# KiCad board PCB0160.kicad_pcb (continued)
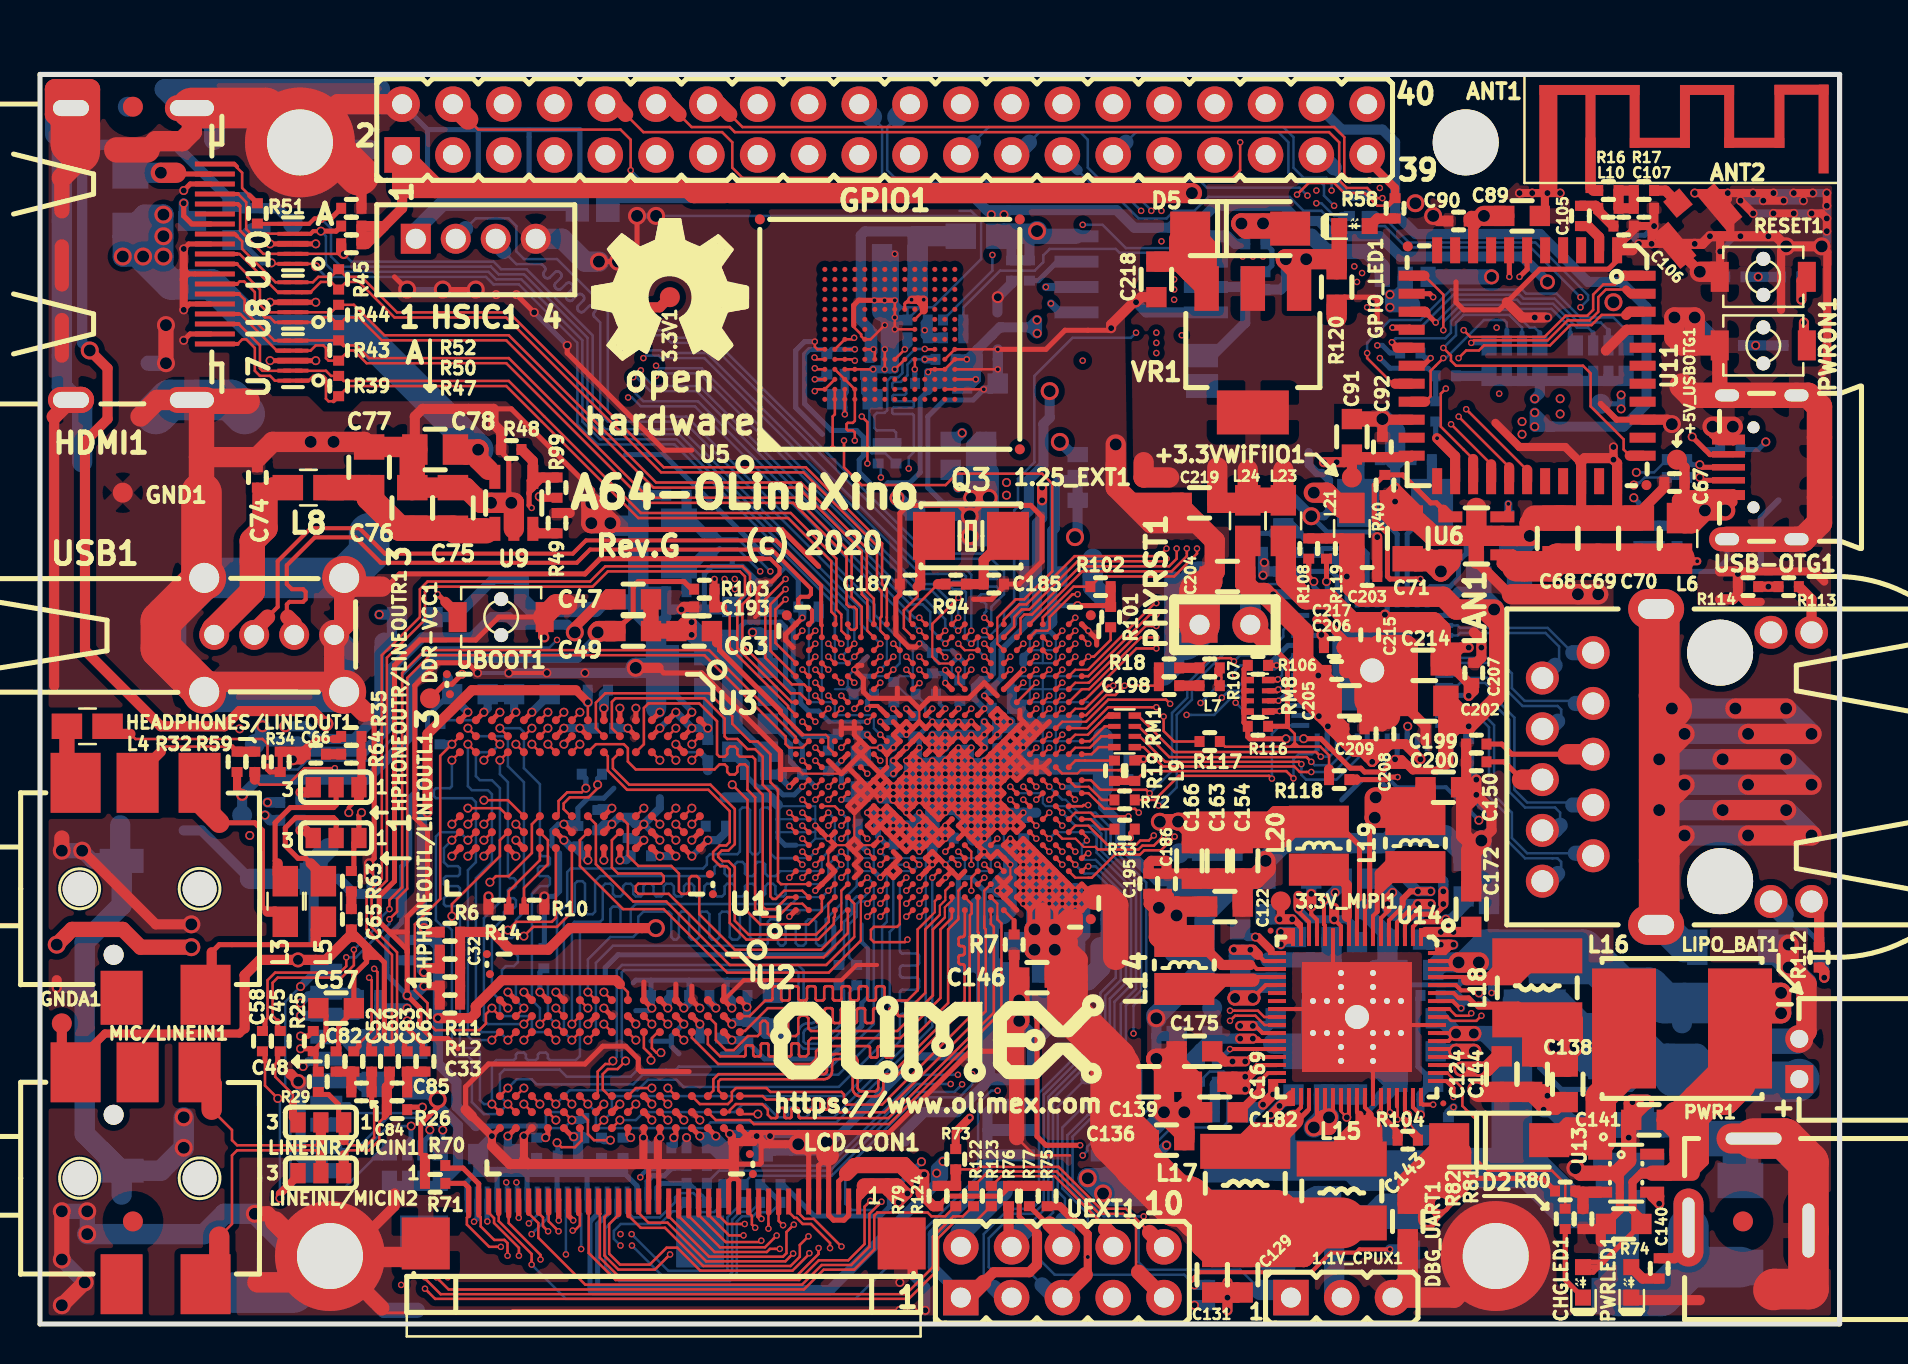
[diagram p0: board, top side]
## Footprints (pads in the part's own frame, mm; a bottom-side part is the same pattern mirrored in y, then rotated) (continued)
R_0402_5MIL_0R(Board_Mounted)
  rect 0.5x0.55 smd: 1(-0.508,0) 2(0.508,0)
R_0402_5MIL_DWS
  rect 0.5x0.55 smd: 1(-0.508,0) 2(0.508,0)
R_0603_5MIL_0R(Board_Mounted)
  rect 1.016x1.016 smd: 1(-0.889,0) 2(0.889,0)
R_0603_5MIL_DWS
  rect 1.016x1.016 smd: 1(-0.889,0) 2(0.889,0)
R_1206_5MIL_DWS
  rect 1.524x1.778 smd: 1(-1.397,0) 2(1.397,0)
RA0805_(4X0402)_xx_BIGGEROUTPADS
  rect 0.325x0.625 smd: 1.1(-0.79,-0.512) 1.2(-0.79,0.512) 4.1(0.79,-0.512) 4.2(0.79,0.512)
  rect 0.25x0.625 smd: 2.1(-0.25,-0.512) 2.2(-0.25,0.512) 3.1(0.25,-0.512) 3.2(0.25,0.512)
RA1206_(4X0603)_4B8_xx
  rect 0.762x1.016 smd: 1.1(-1.27,-0.762) 1.2(-1.27,0.762) 4.1(1.27,-0.762) 4.2(1.27,0.762)
  rect 0.508x1.016 smd: 2.1(-0.381,-0.762) 2.2(-0.381,0.762) 3.1(0.381,-0.762) 3.2(0.381,0.762)
RL-SM02BD(RTL8723BS)
  rect 1.3x0.5 smd: 1(-5.775,4.5) 2(-5.775,3.6) 3(-5.775,2.7) 4(-5.775,1.8) 5(-5.775,0.9) 6(-5.775,0) 7(-5.775,-0.9) 8(-5.775,-1.8) 9(-5.775,-2.7) 10(-5.775,-3.6) 11(-5.775,-4.5) 23(5.775,-4.5) 24(5.775,-3.6) 25(5.775,-2.7) 26(5.775,-1.8) 27(5.775,-0.9) 28(5.775,0) 29(5.775,0.9) 30(5.775,1.8) 31(5.775,2.7) 32(5.775,3.6) 33(5.775,4.5)
  rect 0.5x1.3 smd: 12(-4.5,-5.775) 13(-3.6,-5.775) 14(-2.7,-5.775) 15(-1.8,-5.775) 16(-0.9,-5.775) 17(0,-5.775) 18(0.9,-5.775) 19(1.8,-5.775) 20(2.7,-5.775) 21(3.6,-5.775) 22(4.5,-5.775) 34(4.5,5.775) 35(3.6,5.775) 36(2.7,5.775) 37(1.8,5.775) 38(0.9,5.775) 39(0,5.775) 40(-0.9,5.775) 41(-1.8,5.775) 42(-2.7,5.775) 43(-3.6,5.775) 44(-4.5,5.775)
  round 0.5 smd: FID1(-5.969,-5.969) FID2(5.969,5.969)
SCJ325P00XG0B02G
  round 1.7 hole 1.7 unplated: (0,0) (6,0)
  rect 2.5x3 smd: 1(6.3,-5.3) 2(-0.2,5.3)
  rect 2.1x3 smd: 3(6,5.3) 4(2.9,5.3)
  rect 2.1x2.7 smd: 5(2.1,-5.45)
SCJ325P00XG0B02G#2
  round 1.7 hole 1.7 unplated: (0,0) (6,0)
  rect 2.5x3 smd: 1(6.3,-5.3) 2(-0.2,5.3)
  rect 2.1x3 smd: 3(6,5.3) 4(2.9,5.3) 5(2.1,-5.3)
SJ
  rect 1.168x1.6 smd: 1(-0.762,0) 1(-0.762,0) 2(0.762,0)
SJ_2_SMALL
  rect 0.762x1.016 smd: 1(-1.143,0) 2(0,0) 3(1.143,0)
SJ_2_SMALL_12_TIED
  rect 0.762x1.016 smd: 1(-1.143,0) 2(0,0) 3(1.143,0)
SLP2510P8_TEST
  rect 0.2x0.675 smd: 1(-1,-0.438) 2(-0.5,-0.438) 4(0.5,-0.438) 5(1,-0.438) 6(1,0.438) 7(0.5,0.438) 9(-0.5,0.438) 10(-1,0.438)
  rect 0.3x0.775 smd: 3(0,-0.388) 8(0,0.388)
SMA-KA
  rect 2x1.7 smd: 1(-2.5,0) 2(2.5,0)
SO-8_208mil
  rect 0.6x2.2 smd: 1(-1.905,-3.235) 2(-0.635,-3.235) 3(0.635,-3.235) 4(1.905,-3.235) 5(1.905,3.235) 6(0.635,3.235) 7(-0.635,3.235) 8(-1.905,3.235)
SOD-123_1C-2A_KA
  rect 1x1.4 smd: 1(-1.9,0) 2(1.9,0)
SOIC-8_150mil
  rect 0.6x2.2 smd: 1(-1.905,-2.5) 2(-0.635,-2.5) 3(0.635,-2.5) 4(1.905,-2.5) 5(1.905,2.5) 6(0.635,2.5) 7(-0.635,2.5) 8(-1.905,2.5)
SOT23
  rect 1.4x1 smd: 1(1.107,-0.95) 2(1.107,0.953) 3(-1.102,-0.003)
SOT23-6
  rect 1.2x0.55 smd: 1(1.3,-0.95) 2(1.3,0) 3(1.3,0.95) 4(-1.3,0.95) 5(-1.3,0) 6(-1.3,-0.95)
SOT223
  rect 2.235x1.219 smd: 1(3.099,-2.311) 2(3.099,0) 3(3.099,2.311)
  rect 2.2x3.6 smd: 2(-3.099,0)
SOT-23-5
  rect 1.2x0.55 smd: 1(1.3,-0.95) 2(1.3,0) 3(1.3,0.95) 4(-1.3,0.95) 5(-1.3,-0.95)
TESTPAD_40-ROUND
  round 1 smd: 1(0,0)
TFC-WPAPR-08
  rect 1.1x0.7 smd: (-7.25,-6.55) (-7.25,-5.45) (-7.25,-4.35) (-7.25,-3.25) (-7.25,-2.15) (-7.25,-1.05) (-7.25,0.05) (-7.25,1.15) (-7.25,2.25)
  rect 1.8x1.4 smd: (-6.37,-7.85)
  rect 1.8x1.8 smd: (-6.37,6.95)
  rect 2.6x1.4 smd: (3.23,-7.85) (3.23,7.85)
  round 1 hole 1 unplated: (3.632,-4.953) (3.632,3.048)
  rect 1.6x0.7 smd: 1(-7,2.25) 2(-7,1.15) 3(-7,0.05) 4(-7,-1.05) 5(-7,-2.15) 6(-7,-3.25) 7(-7,-4.35) 8(-7,-5.45) 9(-7,-6.55)
  rect 1.4x1.2 smd: 10(-6.37,-7.75)
  rect 1.4x1.6 smd: 11(-6.37,6.85)
  rect 2.2x1.2 smd: 12(3.23,-7.75) 13(3.23,7.75)
TM211Q01FM22
  round 3.3 hole 3.3 unplated: (-5.715,0) (5.715,0)
  round 1.65 hole 1.1: 1(-5.715,-6.35) 2(-4.445,-8.89) 3(-3.175,-6.35) 4(-1.905,-8.89) 5(-0.635,-6.35) 6(0.635,-8.89) 7(1.905,-6.35) 8(3.175,-8.89) 9(4.445,-6.35) 10(5.715,-8.89) 11(-6.731,2.54) 12(-6.731,4.572) 13(6.731,2.54) 14(6.731,4.572)
  oval 2x2.8 hole 1x1.8: SH1(-7.9,-3.2) SH2(7.9,-3.2)
TP_SMD
  round 1 smd: 1(0,0)
U.FL-R-SMT-1
  rect 1.05x1.05 smd: 1(0,-1.5)
  rect 1.05x2.2 smd: 2(-1.5,0) 2(1.5,0)
USB-MICRO_MISB-SWMM-5B_LF
  round 0.6 hole 0.6 unplated: (-1.9,2) (-1.9,-2)
  oval 1.8x1.2 hole 1.2x0.6: 0(-3.22,3.6) 0(-3.22,-3.6) 0(0.25,3.6) 0(0.25,-3.6)
  rect 1x1.1 smd: 0(1.4,1.5) 0(1.4,-1.5)
  rect 1.65x0.5 smd: 1(-3.15,-1.387) 5(-3.15,1.387)
  rect 1.65x0.325 smd: 2(-3.15,-0.65) 3(-3.15,0) 4(-3.15,0.65)
USB_A_VERTICAL_PTH
  round 2.2 hole 1.5: 0(-2.85,6.5) 0(-2.85,-0.5) 0(2.85,6.5) 0(2.85,-0.5)
  round 1.5 hole 1: 1(0,0) 2(0,2) 3(0,4) 4(0,6)
YS75_7X8MM
  rect 3.2x6 smd: 1(-2.9,0) 2(2.9,0)

## Nets
1.1V_CPUS: 1.1V_CPUS1.1 C117.2 C120.2 C179.2 U1.H15 U14.5
1.1V_CPUX: 1.1V_CPUX1.1 C123.2 C127.2 C129.2 C130.2 C131.2 C132.2 C134.2 C136.2 C137.2 C139.2 C142.2 C146.2 C148.2 L15.2 L17.2 U1.AA1 U1.AA3 U1.AB2 U1.AC1 U1.AC2 U1.U6 U1.V2 U1.V3 U1.V4 U1.V5 U1.V6 U1.W1 U1.W3 U1.W4 U1.W5 U1.Y2 U1.Y3 U1.Y4
1.1V_SYS: 1.1V_SYS1.1 C154.2 C155.2 C158.2 C160.2 C163.2 C166.2 C168.2 L20.2 U1.J12 U1.J13 U1.K14 U1.L13 U1.L14 U1.M13 U1.M14 U1.N14 U1.P14 U1.R13 U1.R14 U1.T15 U14.9
1.2V_HSIC: C178.2 C197.1 HSIC_E1.1 U1.K16 U14.3
3.0V_RTC: 3.0V_RTC1.1 C152.1 C189.2 C190.2 R85.2 R104.1 U1.H16 U14.49
+1.5V: C1.1 C2.1 C3.1 C4.1 C5.1 C6.1 C7.1 C8.1 C9.1 C10.1 C11.1 C12.1 C13.1 C14.1 C15.1 C16.1 C17.1 C18.1 C19.1 C20.1 C21.1 C26.1 C27.1 C28.1 C29.1 C30.1 C31.1 C32.2 C150.2 DDR-VCC1.1 L19.2 R1.2 R5.2 R11.2 U1.G7 U1.G8 U1.G9 U1.J8 U1.K6 U1.K7 U1.L6 U1.L7 U1.L8 U1.N7 U1.N8 U2.A1 U2.A8 U2.B2 U2.C1 U2.C9 U2.D2 U2.D9 U2.E9 U2.F1 U2.G7 U2.H2 U2.H9 U2.K2 U2.K8 U2.N1 U2.N9 U2.R1 U2.R9 U3.A1 U3.A8 U3.B2 U3.C1 U3.C9 U3.D2 U3.D9 U3.E9 U3.F1 U3.G7 U3.H2 U3.H9 U3.K2 U3.K8 U3.N1 U3.N9 U3.R1 U3.R9 U14.8
+1V8: +1.8V1.1 C47.2 C50.2 C170.2 PWR_PC1.3 U1.E13 U14.68
+3.0VA: +3.0VA1.1 C46.1 C49.1 C175.1 C191.2 R32.2 R103.1 U1.G14 U1.N16 U14.31
+3.3VD: +3.3VD1.1 C79.2 C161.2 FET1.1 R46.1 U1.M16 U14.17
+3.3VWiFiIO: +3.3VWiFiIO1.1 C91.2 C92.2 C110.2 C165.2 R61.2 RM9.1.1 RM9.2.1 RM9.3.1 RM9.4.1 RM12.1.1 RM12.2.1 RM12.3.1 RM12.4.1 U1.T17 U11.22 U14.13
+3V3: 3.3V1.1 3.3V/VCC-PE:2.8V1.3 C39.1 C73.2 C80.1 C81.2 C89.2 C90.2 C115.2 C116.2 C122.2 C186.2 C195.2 D5.2 GPIO1.3 L1.1 L2.1 L14.2 L21.2 LCD_CON1.3 PWR_PC1.1 R30.2 R31.2 R37.2 R53.2 R56.2 R57.2 R70.2 R71.2 R75.1 R76.1 R77.1 R79.1 R95.2 R99.1 RM7.1.1 RM7.2.1 RM7.3.1 RM7.4.1 U1.L16 U1.N18 U1.N19 U1.T14 U1.U15 U1.U16 U4.1 U4.2 U4.3 U4.8 U11.9 U12.8 U13.4 U14.20 UEXT1.1
+5V: 5V_E1.2 C71.1 C78.1 D3.1 FET2.3 FUSE1.1 GPIO1.1 LCD_CON1.1 R47.1 R50.1 U6.5 U9.5
+5V_EXT: 5V_E1.1 C118.2 C119.2 C121.1 D1.1 D3.2 FET2.1 FUSE2.1 FUSE2.2 PWR1.+ R74.1 U14.57 U14.58
+5V_USBOTG: +5V_USBOTG1.1 C67.1 C124.1 L6.2 U14.54 USB-OTG1.1
/Power Supply, Extensions and MiPi-DSI/1.8V_DVDD-CSI: C172.2 GPIO1.36 U14.1
/Power Supply, Extensions and MiPi-DSI/2.8V_AVDD-CSI: C164.2 GPIO1.38 U14.14
/Power Supply, Extensions and MiPi-DSI/3.3V_MIPI: 3.3V_MIPI1.1 C162.2 MIPI-DSI1.14 MIPI-DSI1.15 U14.16
/USB&HDMI,WiFi&BT,Ethernet,LCD/VDD33: C201.1 C202.1 C203.2 C216.2 C217.2 L21.1 LAN1.11 LAN1.13 R106.1 R108.2 R110.1 R111.1 R116.2 R119.2 RM8.1.1 RM8.2.1 RM8.3.1 RM8.4.1 U15.1 U15.12 U15.16 U15.34 U15.40
GND: ANT1.2 ANT2.2 C1.2 C2.2 C3.2 C4.2 C5.2 C6.2 C7.2 C8.2 C9.2 C10.2 C12.2 C13.2 C14.2 C15.2 C16.2 C17.2 C18.2 C19.2 C20.2 C21.2 C22.1 C23.2 C24.2 C25.2 C26.2 C27.2 C28.2 C29.2 C30.2 C31.2 C33.1 C34.1 C35.1 C36.1 C37.1 C38.1 C39.2 C42.2 C43.2 C44.2 C64.2 C67.2 C68.1 C69.1 C70.1 C71.2 C72.1 C73.1 C74.2 C75.1 C76.1 C77.1 C78.2 C79.1 C80.2 C81.1 C88.1 C89.1 C90.1 C91.1 C92.1 C93.1 C94.2 C106.1 C107.1 C109.2 C110.1 C115.1 C116.1 C117.1 C118.1 C119.1 C120.1 C121.2 C122.1 C123.1 C124.2 C125.1 C126.1 C127.1 C128.2 C129.1 C130.1 C131.1 C132.1 C133.1 C134.1 C136.1 C137.1 C138.2 C139.1 C140.1 C141.1 C142.1 C143.1 C144.2 C145.1 C146.1 C147.2 C148.1 C149.2 C150.1 C151.2 C152.2 C153.1 C154.1 C155.1 C156.1 C157.1 C158.1 C159.1 C160.1 C161.1 C162.1 C163.1 C164.1 C165.1 C166.1 C167.1 C168.1 C169.2 C170.1 C171.2 C172.1 C173.2 C174.1 C175.2 C176.1 C177.1 C178.1 C179.1 C180.1 C181.1 C182.1 C183.2 C184.2 C185.2 C186.1 C187.2 C188.1 C189.1 C190.1 C191.1 C192.1 C193.1 C194.1 C195.1 C196.1 C197.2 C199.1 C200.1 C201.2 C202.2 C203.1 C204.1 C205.1 C206.1 C207.1 C208.1 C209.1 C210.1 C211.1 C212.1 C213.1 C214.1 C215.1 C216.1 C217.1 C218.2 C219.2 D1.2 DBG_UART1.3 GND1.1 GPIO1.2 GPIO_LED1.1 HDMI1.0 HDMI1.2 HDMI1.5 HDMI1.8 HDMI1.11 HDMI1.17 HSIC1.4 L7.2 LCD_CON1.0 LCD_CON1.2 LCD_CON1.4 LCD_CON1.5 LCD_CON1.6 LCD_CON1.13 LCD_CON1.14 LCD_CON1.21 LCD_CON1.22 LIPO_BAT1.2 MICRO_SD1.6 MICRO_SD1.10 MICRO_SD1.11 MICRO_SD1.12 MICRO_SD1.13 MIPI-DSI1.1 MIPI-DSI1.4 MIPI-DSI1.7 MIPI-DSI1.10 MIPI-DSI1.13 MIPI-DSI1.18 Mounting_hole1.0 Mounting_hole2.0 Mounting_hole3.0 PHYRST1.1 PWR1.- PWRLED1.1 PWRON1.2 R7.1 R8.1 R9.2 R10.2 R12.1 R13.2 R14.2 R36.1 R40.1 R41.1 R42.1 R48.1 R49.1 R52.2 R55.2 R62.2 R81.2 R83.2 R84.1 R96.2 R97.2 R98.2 R107.2 R114.1 R115.2 R120.2 RESET1.2 U1.A1 U1.A23 U1.AC23 U1.C3 U1.C7 U1.D7 U1.G6 U1.G11 U1.H4 U1.H13 U1.J9 U1.J10 U1.J11 U1.J14 U1.J15 U1.K8 U1.K9 U1.K10 U1.K11 U1.K12 U1.K13 U1.L4 U1.L5 U1.L9 U1.L10 U1.L11 U1.L12 U1.L15 U1.M3 U1.M8 U1.M9 U1.M10 U1.M11 U1.M12 U1.M15 U1.N4 U1.N9 U1.N10 U1.N11 U1.N12 U1.N13 U1.N15 U1.P7 U1.P8 U1.P9 U1.P10 U1.P11 U1.P12 U1.P13 U1.R5 U1.R6 U1.R7 U1.R8 U1.R9 U1.R10 U1.R11 U1.R12 U1.R15 U1.T8 U1.T9 U1.T10 U1.T11 U1.T12 U1.T13 U1.U2 U1.U5 U1.U7 U1.U8 U1.U9 U1.U11 U1.U12 U1.V8 U1.V14 U2.A9 U2.B1 U2.B3 U2.B9 U2.D1 U2.D8 U2.E1 U2.E2 U2.E8 U2.F9 U2.G1 U2.G8 U2.G9 U2.J2 U2.J8 U2.M1 U2.M9 U2.P1 U2.P9 U2.T1 U2.T9 U3.A9 U3.B1 U3.B3 U3.B9 U3.D1 U3.D8 U3.E1 U3.E2 U3.E8 U3.F9 U3.G1 U3.G8 U3.G9 U3.J2 U3.J8 U3.M1 U3.M9 U3.P1 U3.P9 U3.T1 U3.T9 U4.4 U4.7 U5.A6 U5.C4 U5.E7 U5.G5 U5.H10 U5.J5 U5.K8 U5.N2 U5.N5 U5.P4 U5.P6 U6.2 U7.3 U7.8 U8.3 U8.8 U9.2 U10.3 U10.8 U11.1 U11.20 U11.31 U11.33 U11.36 U11.41 U12.4 U13.2 U14.12 U14.25 U14.45 U14.59 U14.69 U15.29 U15.49 UBOOT1.2 UEXT1.2 USB1.0 USB1.4 USB-OTG1.0 USB-OTG1.5 VR1.1 WP_Enable1.1
GNDA: C46.2 C47.1 C48.1 C49.2 C50.1 C51.2 C53.2 C54.1 C55.2 C56.1 C57.1 C59.2 C62.2 C63.2 C65.1 C66.1 GNDA1.1 MIC/LINEIN1.2 R27.2 R34.1 R35.1 R36.2 U1.A11
VBAT: C135.2 C180.2 LIPO_BAT1.1 R78.2 U14.64
VCC-PC: C34.2 C35.2 C36.2 PWR_PC1.2 R21.2 R23.2 R67.2 U1.R16 U5.C6 U5.M4 U5.N4 U5.P3 U5.P5 VCC-PC1.1
VCC-PE: 3.3V/VCC-PE:2.8V1.1 C171.1 GPIO1.40 U14.28
VCC-PL: C109.1 C173.1 R88.2 R90.2 U1.J16 U14.29 VCC-PL1.1
VDDFB-CPUX: U1.T6 U14.41 U14.42
/NAND Flash , eMMC, T-Card and Audio/eMMC_CLK: C94.1 R68.1 U5.M6
/NAND Flash , eMMC, T-Card and Audio/HP-DET: R59.2 U1.D11
/NAND Flash , eMMC, T-Card and Audio/HPOUTFB: L4.1 R34.2 U1.C10
/NAND Flash , eMMC, T-Card and Audio/HPOUTL: HPHONEOUTL/LINEOUTL1.1 R63.2 U1.C13
/NAND Flash , eMMC, T-Card and Audio/HPOUTR: HPHONEOUTR/LINEOUTR1.1 R35.2 R64.2 U1.C12
/NAND Flash , eMMC, T-Card and Audio/LINEINL: C58.2 U1.B14
/NAND Flash , eMMC, T-Card and Audio/LINEINR: C45.2 U1.A14
/NAND Flash , eMMC, T-Card and Audio/LINEOUTL: C87.1 U1.D16
/NAND Flash , eMMC, T-Card and Audio/LINEOUTR: C86.1 U1.C16
/NAND Flash , eMMC, T-Card and Audio/MBIAS: R25.2 U1.E14
/NAND Flash , eMMC, T-Card and Audio/MICIN1N: C82.2 U1.B16
/NAND Flash , eMMC, T-Card and Audio/MICIN1P: C52.2 U1.B15
/NAND Flash , eMMC, T-Card and Audio/MICIN2N: C83.2 U1.A17
/NAND Flash , eMMC, T-Card and Audio/MICIN2P: C60.2 U1.B17
/NAND Flash , eMMC, T-Card and Audio/NAND0-ALE\SDC2-DS: R15.2 R62.1 R66.2 U1.K18
/NAND Flash , eMMC, T-Card and Audio/NAND0-DQ0\SDC2-D0: R67.1 U1.M21 U5.A3
/NAND Flash , eMMC, T-Card and Audio/NAND0-DQ1\SDC2-D1: U1.L19 U5.A4
/NAND Flash , eMMC, T-Card and Audio/NAND0-DQ2\SDC2-D2: U1.K20 U5.A5
/NAND Flash , eMMC, T-Card and Audio/NAND0-DQ3\SDC2-D3: U1.H20 U5.B2
/NAND Flash , eMMC, T-Card and Audio/NAND0-DQ4\SDC2-D4: U1.P18 U5.B3
/NAND Flash , eMMC, T-Card and Audio/NAND0-DQ5\SDC2-D5: U1.L20 U5.B4
/NAND Flash , eMMC, T-Card and Audio/NAND0-DQ6\SDC2-D6: U1.J21 U5.B5
/NAND Flash , eMMC, T-Card and Audio/NAND0-DQ7\SDC2-D7: U1.R21 U5.B6
/NAND Flash , eMMC, T-Card and Audio/NAND0-DQS\SDC2-RST: R23.1 U1.N20 U5.K5
/NAND Flash , eMMC, T-Card and Audio/NAND0-RB0\SDC2-CMD: R21.1 U1.K19 U5.M5
/NAND Flash , eMMC, T-Card and Audio/NAND0-RE\SDC2-CLK: R68.2 U1.G20
/NAND Flash , eMMC, T-Card and Audio/SDC0-CLK: R33.2 U1.AC8
/NAND Flash , eMMC, T-Card and Audio/SDC0-CMD: MICRO_SD1.3 R31.1 U1.W9
/NAND Flash , eMMC, T-Card and Audio/SDC0-D0: MICRO_SD1.7 RM7.1.2 U1.W13
/NAND Flash , eMMC, T-Card and Audio/SDC0-D1: MICRO_SD1.8 RM7.2.2 U1.AB10
/NAND Flash , eMMC, T-Card and Audio/SDC0-D2: MICRO_SD1.1 RM7.4.2 U1.AB9
/NAND Flash , eMMC, T-Card and Audio/SDC0-D3: MICRO_SD1.2 R30.1 U1.AB6
/NAND Flash , eMMC, T-Card and Audio/SDC0-DET#: MICRO_SD1.9 RM7.3.2 U1.AB8
/Power Supply, Extensions and MiPi-DSI/DC5SET: R84.2 R92.1 U14.62
/Power Supply, Extensions and MiPi-DSI/DSI-CKN: MIPI-DSI1.5 U1.P23
/Power Supply, Extensions and MiPi-DSI/DSI-CKP: MIPI-DSI1.6 U1.N23
/Power Supply, Extensions and MiPi-DSI/DSI-D0N: MIPI-DSI1.8 U1.T23
/Power Supply, Extensions and MiPi-DSI/DSI-D0P: MIPI-DSI1.9 U1.T22
/Power Supply, Extensions and MiPi-DSI/DSI-D1N: MIPI-DSI1.2 U1.R22
/Power Supply, Extensions and MiPi-DSI/DSI-D1P: MIPI-DSI1.3 U1.P22
/Power Supply, Extensions and MiPi-DSI/DSI-D2N: R126.2 U1.N22
/Power Supply, Extensions and MiPi-DSI/DSI-D2P: R130.1 U1.M22
/Power Supply, Extensions and MiPi-DSI/DSI-D3N: R129.1 U1.L22
/Power Supply, Extensions and MiPi-DSI/DSI-D3P: R125.2 U1.L23
/Power Supply, Extensions and MiPi-DSI/MIPI-DSI-BKL: R132.1 U1.W8
/Power Supply, Extensions and MiPi-DSI/MIPI-DSI-EN: R128.2 U1.Y6
/Power Supply, Extensions and MiPi-DSI/MIPI-DSI-RST: R127.2 U1.AA6
/Power Supply, Extensions and MiPi-DSI/PB0: GPIO1.10 U1.V9
/Power Supply, Extensions and MiPi-DSI/PB1: GPIO1.12 U1.AB7
/Power Supply, Extensions and MiPi-DSI/PB2: GPIO1.14 U1.W10
/Power Supply, Extensions and MiPi-DSI/PB3: GPIO1.16 U1.AA7
/Power Supply, Extensions and MiPi-DSI/PB4: GPIO1.18 U1.W7
/Power Supply, Extensions and MiPi-DSI/PE0: GPIO1.5 U1.AA18
/Power Supply, Extensions and MiPi-DSI/PE1: GPIO1.7 U1.AB23
/Power Supply, Extensions and MiPi-DSI/PE2: GPIO1.9 U1.AA22
/Power Supply, Extensions and MiPi-DSI/PE3: GPIO1.11 U1.AA21
/Power Supply, Extensions and MiPi-DSI/PE4: GPIO1.13 U1.AA19
/Power Supply, Extensions and MiPi-DSI/PE5: GPIO1.15 U1.W17
/Power Supply, Extensions and MiPi-DSI/PE6: GPIO1.17 U1.W20
/Power Supply, Extensions and MiPi-DSI/PE7: GPIO1.19 U1.Y19
/Power Supply, Extensions and MiPi-DSI/PE8: GPIO1.21 U1.AC22
/Power Supply, Extensions and MiPi-DSI/PE9: GPIO1.23 U1.Y17
/Power Supply, Extensions and MiPi-DSI/PE10: GPIO1.25 U1.AB22
/Power Supply, Extensions and MiPi-DSI/PE11: GPIO1.27 U1.W21
/Power Supply, Extensions and MiPi-DSI/PE12: GPIO1.29 U1.AB20
/Power Supply, Extensions and MiPi-DSI/PE13: GPIO1.31 U1.Y22
/Power Supply, Extensions and MiPi-DSI/PE14: GPIO1.33 R101.1 U1.AC20
/Power Supply, Extensions and MiPi-DSI/PE15: GPIO1.35 R102.1 U1.Y23
/Power Supply, Extensions and MiPi-DSI/PE16: R65.2 U1.AB21
/Power Supply, Extensions and MiPi-DSI/PE16\POWERON: GPIO1.37 R28.1 R65.1
/Power Supply, Extensions and MiPi-DSI/PE17\GPIO_LED: GPIO1.39 R58.1 U1.W22
/Power Supply, Extensions and MiPi-DSI/UEXT-CLK: R122.1 UEXT1.9
/Power Supply, Extensions and MiPi-DSI/UEXT-CS: R73.2 R79.2 R124.2 UEXT1.10
/Power Supply, Extensions and MiPi-DSI/UEXT-MISO: R121.1 UEXT1.7
/Power Supply, Extensions and MiPi-DSI/UEXT-MOSI: R123.2 UEXT1.8
/S0SA0: U1.P5 U2.N3 U3.N3
/S0SA1: U1.R4 U2.P7 U3.P7
/S0SA2: U1.N5 U2.P3 U3.P3
/S0SA3: U1.N6 U2.N2 U3.N2
/S0SA4: U1.P6 U2.P8 U3.P8
/S0SA5: U1.G4 U2.P2 U3.P2
/S0SA6: U1.F3 U2.R8 U3.R8
/S0SA7: U1.E4 U2.R2 U3.R2
/S0SA8: U1.D3 U2.T8 U3.T8
/S0SA9: U1.C4 U2.R3 U3.R3
/S0SA10: U1.M4 U2.L7 U3.L7
/S0SA11: U1.U4 U2.R7 U3.R7
/S0SA12: U1.K5 U2.N7 U3.N7
/S0SA13: U1.E8 U2.T3 U3.T3
/S0SA14: U1.K4 U2.T7 U3.T7
/S0SA15: U1.T4 U2.M7 U3.M7
/S0SBA0: U1.D8 U2.M2 U3.M2
/S0SBA1: U1.R3 U2.N8 U3.N8
/S0SBA2: U1.C6 U2.M3 U3.M3
/S0SCAS: U1.C9 U2.K3 U3.K3
/S0SCK_N: R2.1 R4.1 U2.K7 U3.K7
/S0SCK_P: R2.2 R3.1 U2.J7 U3.J7
/S0SCKE0: U1.J3 U2.K9 U3.K9
/S0SCKE1: U1.H6 U2.J9 U3.J9
/S0SCS0: U1.E5 U2.L2 U3.L2
/S0SCS1: U1.H5 U2.L1 U3.L1
/S0SDQ0: U1.L3 U2.F7
/S0SDQ1: U1.G1 U2.G2
/S0SDQ2: U1.H3 U2.F2
/S0SDQ3: U1.K1 U2.H7
/S0SDQ4: U1.H2 U2.E3
/S0SDQ5: U1.H1 U2.H3
/S0SDQ6: U1.L1 U2.H8
/S0SDQ7: U1.L2 U2.F8
/S0SDQ8: U1.T3 U2.A7
/S0SDQ9: U1.T2 U2.C8
/S0SDQ10: U1.T1 U2.B8
/S0SDQ11: U1.R2 U2.D7
/S0SDQ12: U1.N3 U2.A3
/S0SDQ13: U1.N2 U2.C2
/S0SDQ14: U1.N1 U2.C3
/S0SDQ15: U1.M2 U2.A2
/S0SDQ16: U1.E3 U3.F7
/S0SDQ17: U1.F2 U3.H8
/S0SDQ18: U1.E2 U3.H7
/S0SDQ19: U1.E1 U3.F8
/S0SDQ20: U1.B1 U3.H3
/S0SDQ21: U1.B2 U3.F2
/S0SDQ22: U1.A2 U3.E3
/S0SDQ23: U1.B3 U3.G2
/S0SDQ24: U1.C5 U3.A7
/S0SDQ25: U1.B4 U3.C8
/S0SDQ26: U1.A4 U3.D7
/S0SDQ27: U1.A5 U3.B8
/S0SDQ28: U1.A7 U3.A3
/S0SDQ29: U1.A8 U3.C3
/S0SDQ30: U1.B8 U3.A2
/S0SDQ31: U1.B9 U3.C2
/S0SDQM0: U1.J2 U2.E7
/S0SDQM1: U1.P3 U2.D3
/S0SDQM2: U1.C2 U3.E7
/S0SDQM3: U1.B7 U3.D3
/S0SDQS0_N: U1.K2 U2.G3
/S0SDQS0_P: U1.K3 U2.F3
/S0SDQS1_N: U1.P2 U2.B7
/S0SDQS1_P: U1.P1 U2.C7
/S0SDQS2_N: U1.D1 U3.G3
/S0SDQS2_P: U1.D2 U3.F3
/S0SDQS3_N: U1.B5 U3.B7
/S0SDQS3_P: U1.B6 U3.C7
/S0SODT0: U1.D5 U2.K1 U3.K1
/S0SODT1: U1.E7 U2.J1 U3.J1
/S0SRAS: U1.F7 U2.J3 U3.J3
/S0SRST: R1.1 U1.D10 U2.T2 U3.T2
/S0SVREF: C22.2 C32.1 C33.2 R6.2 R11.1 R12.2 U1.G5
/S0SWE: U1.C8 U2.L3 U3.L3
/USB&HDMI,WiFi&BT,Ethernet,LCD/1.25_EXT: 1.25_EXT1.1 C219.1 L23.2 L24.2 R120.1 VR1.2
/USB&HDMI,WiFi&BT,Ethernet,LCD/AP-WAKE-BT: U1.B20 U11.6
/USB&HDMI,WiFi&BT,Ethernet,LCD/BT-PCM-CLK: U1.AB18 U11.26
/USB&HDMI,WiFi&BT,Ethernet,LCD/BT-PCM-DIN: U1.AC19 U11.27
/USB&HDMI,WiFi&BT,Ethernet,LCD/BT-PCM-DOUT: U1.U22 U11.25
/USB&HDMI,WiFi&BT,Ethernet,LCD/BT-PCM-SYNC: U1.AB19 U11.28
/USB&HDMI,WiFi&BT,Ethernet,LCD/BT-RST-N: RM12.2.2 U1.A20 U11.34
/USB&HDMI,WiFi&BT,Ethernet,LCD/BT-UART-CTS: U1.AC17 U11.44
/USB&HDMI,WiFi&BT,Ethernet,LCD/BT-UART-RX: RM12.4.2 U1.AB17 U11.43
/USB&HDMI,WiFi&BT,Ethernet,LCD/BT-UART-TX: U1.U23 U11.42
/USB&HDMI,WiFi&BT,Ethernet,LCD/BT-WAKE-AP: U1.D19 U11.7
/USB&HDMI,WiFi&BT,Ethernet,LCD/EPHY-RST#: R117.2 U1.Y14
/USB&HDMI,WiFi&BT,Ethernet,LCD/GCLKIN\LCD_VSYNC: C93.2 LCD_CON1.30 R109.1 U1.AC11
/USB&HDMI,WiFi&BT,Ethernet,LCD/GMDC\LCD-PWM: LCD_CON1.36 U1.Y13 U15.36
/USB&HDMI,WiFi&BT,Ethernet,LCD/GMDIO\LCD_PWR: LCD_CON1.35 R108.1 U1.AC10 U15.37
/USB&HDMI,WiFi&BT,Ethernet,LCD/GRXCK\LCD_D18: C198.1 LCD_CON1.7 R18.1 U1.AC16
/USB&HDMI,WiFi&BT,Ethernet,LCD/GRXCTL\LCD_D19: LCD_CON1.8 R105.1 U1.AB16
/USB&HDMI,WiFi&BT,Ethernet,LCD/GRXD0\LCD_D15: LCD_CON1.20 RM15.1.2 U1.Y16
/USB&HDMI,WiFi&BT,Ethernet,LCD/GRXD1\LCD_D14: LCD_CON1.19 RM15.2.2 U1.W16
/USB&HDMI,WiFi&BT,Ethernet,LCD/GRXD2\LCD_D13: LCD_CON1.18 RM15.3.2 U1.AA13
/USB&HDMI,WiFi&BT,Ethernet,LCD/GRXD3\LCD_D12: LCD_CON1.17 RM15.4.2 U1.V17
/USB&HDMI,WiFi&BT,Ethernet,LCD/GTXCK\LCD_DE: L9.2 LCD_CON1.32 R19.2 U15.24
/USB&HDMI,WiFi&BT,Ethernet,LCD/GTXCTL\LCD_HSYNC: LCD_CON1.29 R72.2 U15.25
/USB&HDMI,WiFi&BT,Ethernet,LCD/GTXD0\LCD_CLK: LCD_CON1.31 RM1.2.1 U15.19
/USB&HDMI,WiFi&BT,Ethernet,LCD/GTXD1\LCD_D23: LCD_CON1.12 RM1.1.1 U15.20
/USB&HDMI,WiFi&BT,Ethernet,LCD/GTXD2\LCD_D22: LCD_CON1.11 RM1.3.1 U15.21
/USB&HDMI,WiFi&BT,Ethernet,LCD/GTXD3\LCD_D21: LCD_CON1.10 RM1.4.1 U15.22
/USB&HDMI,WiFi&BT,Ethernet,LCD/HCEC: FET1.2 R46.2 U1.F21 U10.1 U10.10
/USB&HDMI,WiFi&BT,Ethernet,LCD/HHPD: R51.1 R52.1 U1.E21 U10.5 U10.6
/USB&HDMI,WiFi&BT,Ethernet,LCD/HSCL: HDMI1.15 R47.2 U1.G21 U10.2 U10.9
/USB&HDMI,WiFi&BT,Ethernet,LCD/HSDA: HDMI1.16 R50.2 U1.E20 U10.4 U10.7
/USB&HDMI,WiFi&BT,Ethernet,LCD/HTX0N: HDMI1.9 R44.1 U1.G23 U8.2 U8.9
/USB&HDMI,WiFi&BT,Ethernet,LCD/HTX0P: HDMI1.7 R44.2 U1.G22 U8.1 U8.10
/USB&HDMI,WiFi&BT,Ethernet,LCD/HTX1N: HDMI1.6 R43.2 U1.F22 U7.5 U7.6
/USB&HDMI,WiFi&BT,Ethernet,LCD/HTX1P: HDMI1.4 R43.1 U1.E23 U7.4 U7.7
/USB&HDMI,WiFi&BT,Ethernet,LCD/HTX2N: HDMI1.3 R39.1 U1.E22 U7.2 U7.9
/USB&HDMI,WiFi&BT,Ethernet,LCD/HTX2P: HDMI1.1 R39.2 U1.D23 U7.1 U7.10
/USB&HDMI,WiFi&BT,Ethernet,LCD/HTXCN: HDMI1.12 R45.2 U1.H23 U8.5 U8.6
/USB&HDMI,WiFi&BT,Ethernet,LCD/HTXCP: HDMI1.10 R45.1 U1.H22 U8.4 U8.7
/USB&HDMI,WiFi&BT,Ethernet,LCD/LCD_D2: LCD_CON1.23 U1.AA20
/USB&HDMI,WiFi&BT,Ethernet,LCD/LCD_D3: LCD_CON1.24 U1.AA17
/USB&HDMI,WiFi&BT,Ethernet,LCD/LCD_D4: LCD_CON1.25 U1.W19
/USB&HDMI,WiFi&BT,Ethernet,LCD/LCD_D5: LCD_CON1.26 U1.AA14
/USB&HDMI,WiFi&BT,Ethernet,LCD/LCD_D6: LCD_CON1.27 U1.V18
/USB&HDMI,WiFi&BT,Ethernet,LCD/LCD_D7: LCD_CON1.28 U1.AA15
/USB&HDMI,WiFi&BT,Ethernet,LCD/LCD_D10: LCD_CON1.15 U1.Y11
/USB&HDMI,WiFi&BT,Ethernet,LCD/LCD_D11: LCD_CON1.16 U1.AA16
/USB&HDMI,WiFi&BT,Ethernet,LCD/LCD_D20: LCD_CON1.9 U1.AB15
/USB&HDMI,WiFi&BT,Ethernet,LCD/MDI[0]+: LAN1.1 U15.2
/USB&HDMI,WiFi&BT,Ethernet,LCD/MDI[0]-: LAN1.2 U15.3
/USB&HDMI,WiFi&BT,Ethernet,LCD/MDI[1]+: LAN1.3 U15.5
/USB&HDMI,WiFi&BT,Ethernet,LCD/MDI[1]-: LAN1.4 U15.6
/USB&HDMI,WiFi&BT,Ethernet,LCD/MDI[2]+: LAN1.7 U15.7
/USB&HDMI,WiFi&BT,Ethernet,LCD/MDI[2]-: LAN1.8 U15.8
/USB&HDMI,WiFi&BT,Ethernet,LCD/MDI[3]+: LAN1.9 U15.10
/USB&HDMI,WiFi&BT,Ethernet,LCD/MDI[3]-: LAN1.10 U15.11
/USB&HDMI,WiFi&BT,Ethernet,LCD/PH7\CTP-INT: LCD_CON1.37 U1.AC5
/USB&HDMI,WiFi&BT,Ethernet,LCD/PH8\CTP-RST: LCD_CON1.38 U1.Y10
/USB&HDMI,WiFi&BT,Ethernet,LCD/PHYAD0: LAN1.14 R112.1
/USB&HDMI,WiFi&BT,Ethernet,LCD/PHYAD1: LAN1.12 R113.1
/USB&HDMI,WiFi&BT,Ethernet,LCD/USB0-ID: R37.1 U1.AA8 USB-OTG1.4
/USB&HDMI,WiFi&BT,Ethernet,LCD/USB0-VBUSDET: C72.2 R38.1 R42.2 U1.AB4
/USB&HDMI,WiFi&BT,Ethernet,LCD/USB1-DM: U1.C22 USB1.2
/USB&HDMI,WiFi&BT,Ethernet,LCD/USB1-DP: U1.B23 USB1.3
/USB&HDMI,WiFi&BT,Ethernet,LCD/WL-PMU-EN: RM9.4.2 U1.A19 U11.12
/USB&HDMI,WiFi&BT,Ethernet,LCD/WL-SDIO-CLK: R54.2 U1.V21
/USB&HDMI,WiFi&BT,Ethernet,LCD/WL-SDIO-CMD: RM12.1.2 U1.U20 U11.16
/USB&HDMI,WiFi&BT,Ethernet,LCD/WL-SDIO-D0: RM9.1.2 U1.U19 U11.18
/USB&HDMI,WiFi&BT,Ethernet,LCD/WL-SDIO-D1: RM12.3.2 U1.V22 U11.19
/USB&HDMI,WiFi&BT,Ethernet,LCD/WL-SDIO-D2: RM9.3.2 U1.Y21 U11.14
/USB&HDMI,WiFi&BT,Ethernet,LCD/WL-SDIO-D3: RM9.2.2 U1.W23 U11.15
/USB&HDMI,WiFi&BT,Ethernet,LCD/WL-WAKE-AP: U1.E19 U11.13
/VREF0_DDR3: C11.2 C23.1 C24.1 C25.1 R5.1 R6.1 R8.2 U2.H1 U2.M8 U3.H1 U3.M8
AP-CK32KO: R60.2 R61.1 U1.B18
AP-NMI#: R85.1 U1.G18 U14.61
AP-RESET#: C156.2 GPIO1.4 R89.2 R104.2 R118.2 U1.E17 U14.46
IPS: C126.2 C128.1 C133.2 C140.2 C141.2 C145.2 C147.1 C153.2 C157.2 C159.2 C167.2 C169.1 C176.2 CHGLED1.2 IPS1.1 L16.1 R131.1 T1.4 T1.8 U13.5 U14.4 U14.6 U14.11 U14.15 U14.19 U14.22 U14.32 U14.38 U14.39 U14.40 U14.55 U14.56 U14.66 U14.67
KEYADC: C193.2 GPIO1.8 R103.2 U1.A16
PC4: GPIO1.20 U1.T20
PC7: GPIO1.22 U1.T19
PH10: LCD_CON1.33 R73.1 U1.Y8
PH11: LCD_CON1.34 U1.AA5
PL7: GPIO1.24 U1.C19
PL8: GPIO1.26 U1.B21
PL9: GPIO1.28 U1.D20
PL10: GPIO1.30 U1.D21
PL11: GPIO1.32 U1.C20
PL12: GPIO1.34 U1.D22
PMU-SCK: R88.1 U1.D17 U14.47
PMU-SDA: R90.1 U1.C17 U14.48
SPI0_CLK: R122.2 U1.P20 U12.6
SPI0_CS: R53.1 R124.1 U1.P19 U12.1
SPI0_MISO: R66.1 R121.2 U12.2
SPI0_MOSI: R123.1 U1.T21 U12.5
TWI0-SCK: LCD_CON1.39 MIPI-DSI1.11 R70.1 U1.W11
TWI0-SDA: LCD_CON1.40 MIPI-DSI1.12 R71.1 U1.AA10
TWI1-SCK: R75.2 U1.AC4 U4.6 UEXT1.5
TWI1-SDA: R77.2 U1.AA9 U4.5 UEXT1.6
UART3-RX: R76.2 U1.AC7 UEXT1.4
UART3-TX: U1.AB5 UEXT1.3
UBOOT: GPIO1.6 U1.F17 UBOOT1.1
USB0-D_N: R87.2 U1.B22 USB-OTG1.2
USB0-D_P: R86.2 U1.A22 USB-OTG1.3
USB0-DRV: R40.2 U6.4 U14.51
USB1-DRV: R48.2 R99.2 U1.U21 U9.4
Net-(3.3V/VCC-PE:2.8V1-Pad2): 3.3V/VCC-PE:2.8V1.2 C194.2 R101.2 R102.2 U1.U18
Net-(ANT1-Pad1): ANT1.1 R16.1
Net-(ANT2-Pad1): ANT2.1 R17.1
Net-(C37-Pad2): C37.2 C38.2 U5.C2
Net-(C42-Pad1): C42.1 C43.1 C44.1 L1.2 U5.E6 U5.F5 U5.J10 U5.K9
Net-(C45-Pad1): C45.1 LINEINR/MICIN1.3
Net-(C48-Pad2): C48.2 C82.1 C84.2
Net-(C51-Pad1): C51.1 C53.1 U1.C11
Net-(C52-Pad1): C52.1 C84.1 LINEINR/MICIN1.1 R29.1
Net-(C54-Pad2): C54.2 C56.2 U1.F12 U1.G13
Net-(C55-Pad1): C55.1 U1.B12
Net-(C57-Pad2): C57.2 R25.1 R26.2 R29.2
Net-(C58-Pad1): C58.1 LINEINL/MICIN2.3
Net-(C59-Pad1): C59.1 R27.1 U1.B11
Net-(C60-Pad1): C60.1 C85.1 LINEINL/MICIN2.1 R26.1
Net-(C61-Pad1): C61.1 U1.E11
Net-(C61-Pad2): C61.2 U1.E10
Net-(C62-Pad1): C62.1 C83.1 C85.2
Net-(C63-Pad1): C63.1 U1.D13
Net-(C64-Pad1): C64.1 L2.2 MICRO_SD1.4
Net-(C65-Pad2): C65.2 R63.1
Net-(C66-Pad2): C66.2 R64.1
Net-(C68-Pad2): C68.2 C69.2 C70.2 L6.1 R38.2 U6.1
Net-(C74-Pad1): C74.1 L8.2 USB1.1
Net-(C75-Pad2): C75.2 C76.2 C77.2 L8.1 U9.1
Net-(C86-Pad2): C86.2 HPHONEOUTR/LINEOUTR1.3
Net-(C87-Pad2): C87.2 HPHONEOUTL/LINEOUTL1.3
Net-(C88-Pad2): C88.2 L9.1
Net-(C105-Pad1): C105.1 U11.2
Net-(C105-Pad2): C105.2 C106.2 L10.2
Net-(C107-Pad2): C107.2 L10.1 R16.2 R17.2
Net-(C125-Pad2): C125.2 U14.18
Net-(C135-Pad1): C135.1 C138.1 C144.1 L18.1 R78.1 T1.1 T1.2 T1.5 T1.6 T1.7 U14.63
Net-(C143-Pad2): C143.2 D2.1 FET2.2 R80.1
Net-(C149-Pad1): C149.1 U14.35
Net-(C151-Pad1): C151.1 U14.34
Net-(C174-Pad2): C174.2 U14.2
Net-(C177-Pad2): C177.2 R28.2 R91.2 U14.60
Net-(C181-Pad2): C181.2 R92.2 U14.50
Net-(C182-Pad2): C182.2 U14.33
Net-(C183-Pad1): C183.1 Q2.1 R93.1 U1.B19
Net-(C184-Pad1): C184.1 Q2.2 R93.2 U1.C18
Net-(C185-Pad1): C185.1 Q3.1 R94.2
Net-(C187-Pad1): C187.1 Q3.2 U1.K22
Net-(C188-Pad2): C188.2 U1.P16
Net-(C192-Pad2): C192.2 U1.G16
Net-(C196-Pad2): C196.2 LAN1.SH1 LAN1.SH2
Net-(C198-Pad2): C198.2 L7.1
Net-(C199-Pad2): C199.2 LAN1.5
Net-(C200-Pad2): C200.2 LAN1.6
Net-(C204-Pad2): C204.2 C205.2 C206.2 C208.2 C209.2 C210.2 L24.1 U15.14 U15.18 U15.23 U15.26 U15.30 U15.39
Net-(C207-Pad2): C207.2 C214.2 C215.2 L23.1 U15.4 U15.9 U15.44
Net-(C211-Pad2): C211.2 PHYRST1.2 R116.1 R117.1 R118.1 U15.42
Net-(C212-Pad2): C212.2 Q4.1 U15.46
Net-(C213-Pad2): C213.2 Q4.2 U15.45
Net-(C218-Pad1): C218.1 D5.1 VR1.3
Net-(CHGLED1-Pad1): CHGLED1.1 R82.2
Net-(D2-Pad2): D2.2 L16.2 U13.1
Net-(D4-Pad1): D4.1 DBG_UART1.2
Net-(D4-Pad2): D4.2 R95.1 U1.Y7
Net-(DBG_UART1-Pad1): DBG_UART1.1 U1.V10
Net-(FET1-Pad3): FET1.3 HDMI1.13
Net-(FUSE1-Pad2): FUSE1.2 HDMI1.18
Net-(GPIO_LED1-Pad2): GPIO_LED1.2 R58.2